# KiCad board edc-mux-board-fpga-main.kicad_pcb
title: EDC Mux Board; date: 2019-05-17; rev: 1
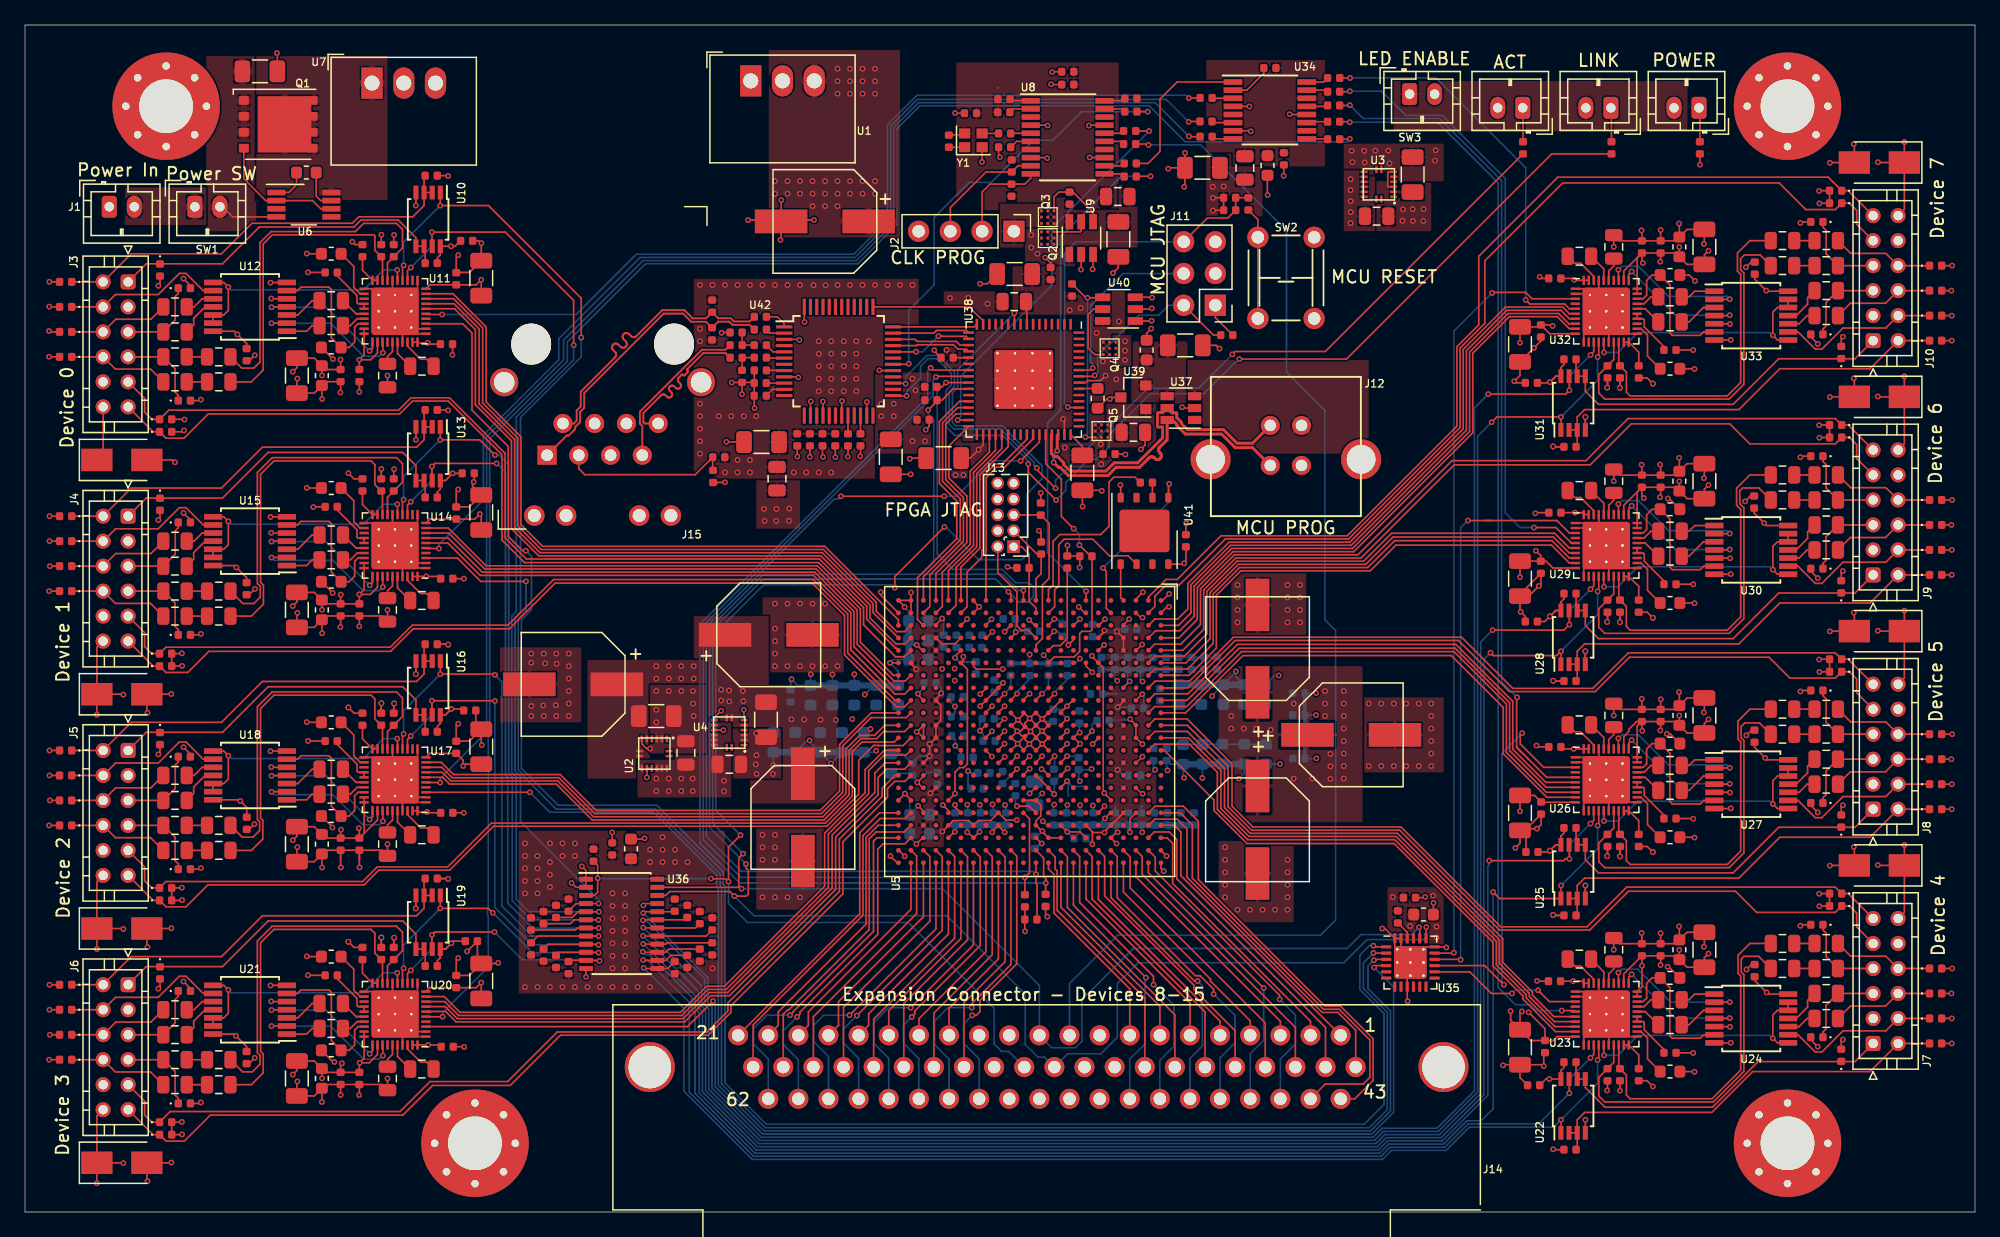
[diagram p0: board, top side]
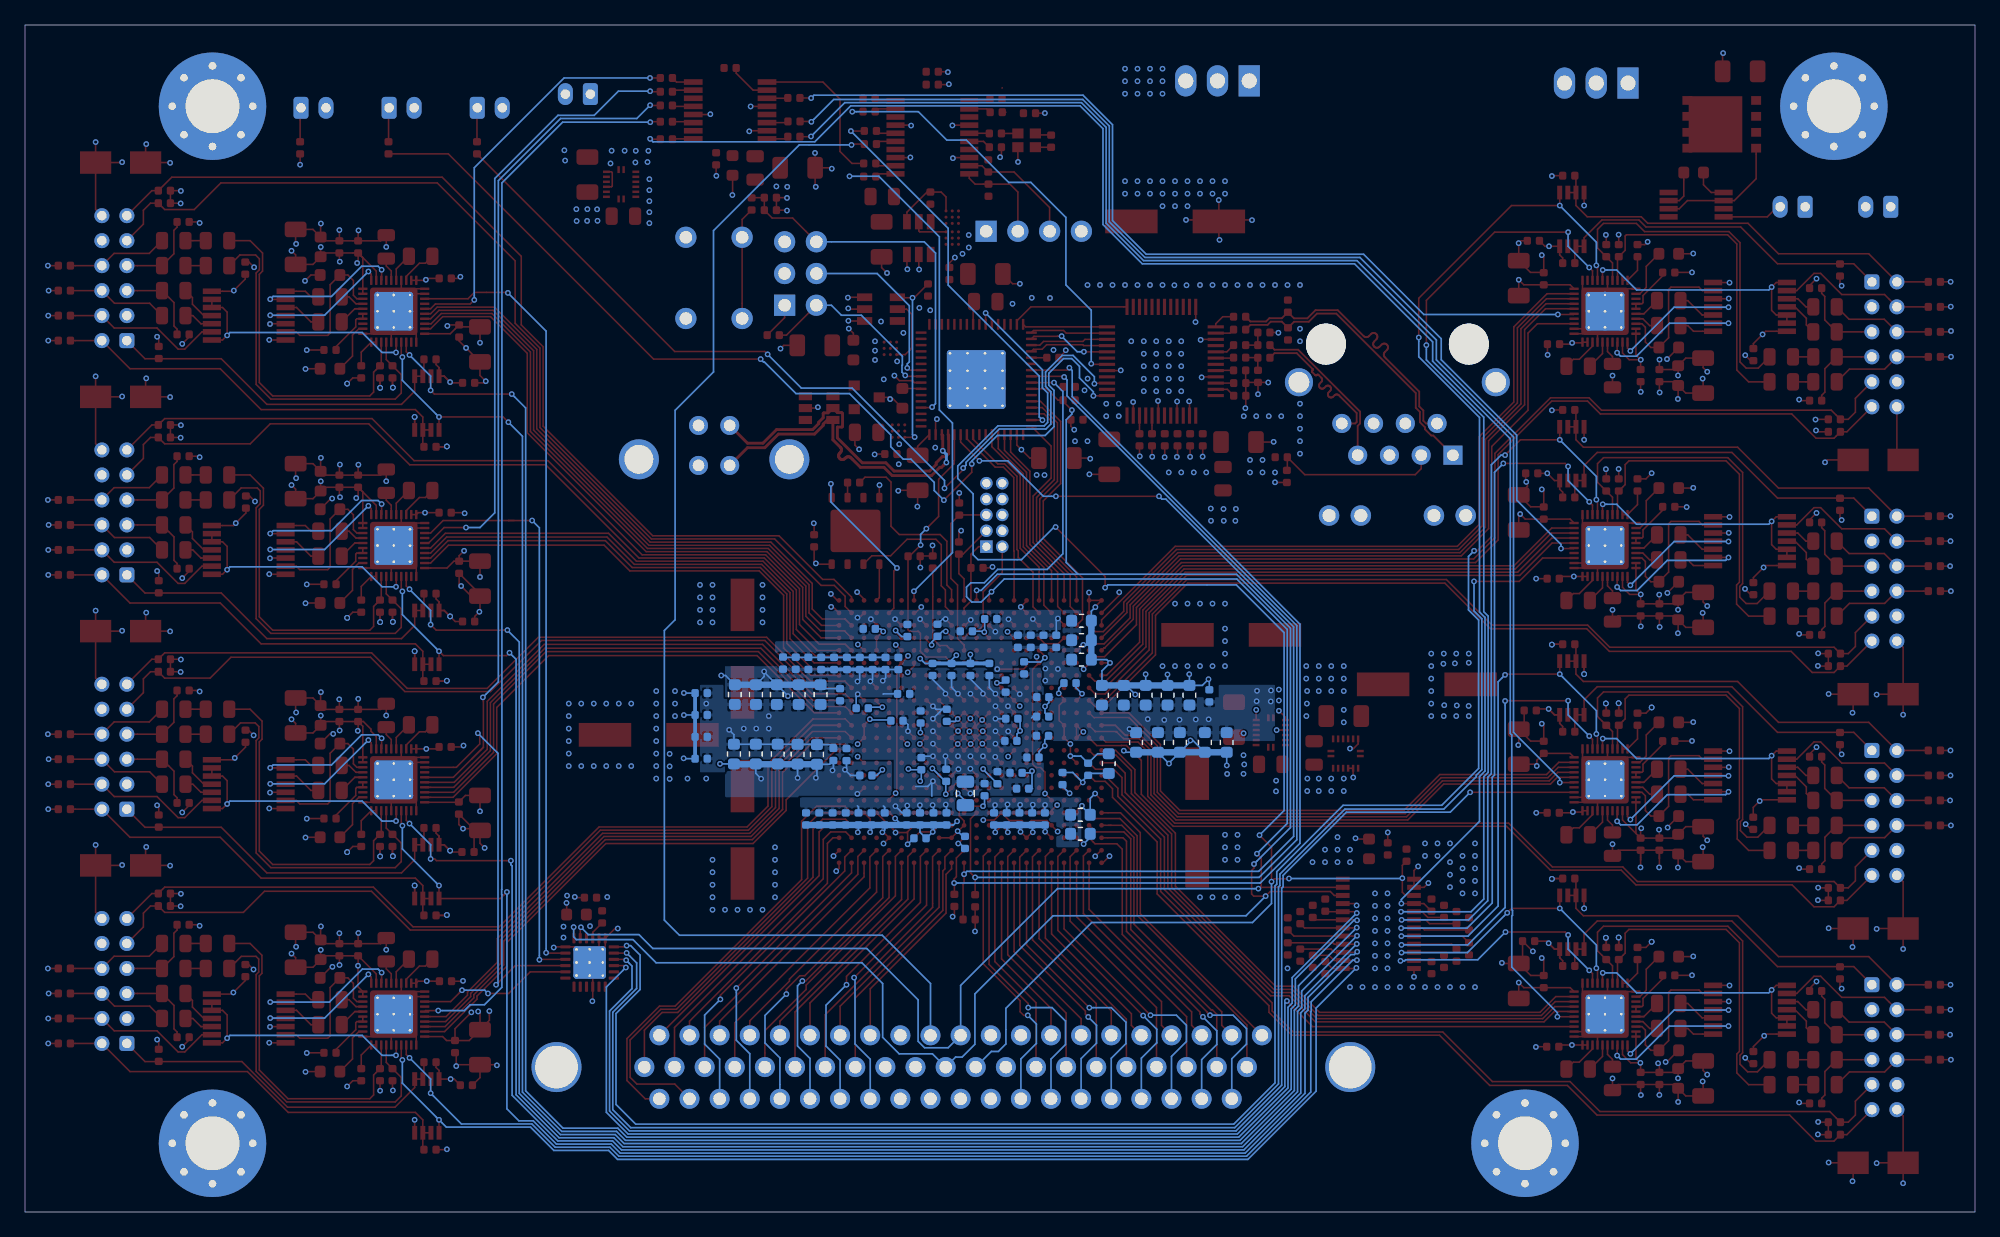
[diagram p1: board, bottom side, seen from below]

Outline 156 x 95 mm; copper layers: Top, In1.Cu (plane), In2.Cu (plane), Bottom. Coordinates in mm from the lower left corner of the outline.
Outline path: 0,95 0,0 156,0 156,95 0,95

## Placement (name value [footprint] x y rotation side)
C1  4.7uF X7R  [C_0805_2012Metric]  52.87 36.74 90 top
C2  4.7uF X7R  [C_0805_2012Metric]  108.13 79.7 0 top
C3  4.7uF X7R  [C_0805_2012Metric]  56.34 35.83 0 top
C4  10uF X7R  [C_1206_3216Metric]  50.5 39.69 0 top
C5  10uF X7R  [C_1206_3216Metric]  111.01 83.03 270 top
C6  10uF X7R  [C_1206_3216Metric]  59.28 39.4 270 top
C7  4.7nF X7R  [C_0402_1005Metric]  82.26 39.75 270 bottom
C8  4.7nF X7R  [C_0402_1005Metric]  82.31 34.95 270 bottom
C9  4.7nF X7R  [C_0402_1005Metric]  77.13 37.7 180 bottom
C10  4.7nF X7R  [C_0402_1005Metric]  83.32 31.46 270 bottom
C11  4.7nF X7R  [C_0402_1005Metric]  89.02 40.32 0 bottom
C12  4.7nF X7R  [C_0402_1005Metric]  77.55 42.09 90 bottom
C13  4.7nF X7R  [C_0402_1005Metric]  75.54 45.67 90 bottom
C14  4.7nF X7R  [C_0402_1005Metric]  88.46 46.67 0 bottom
C15  4.7nF X7R  [C_0402_1005Metric]  84.35 39.62 270 bottom
C16  4.7nF X7R  [C_0402_1005Metric]  74.52 45.67 90 bottom
C17  4.7nF X7R  [C_0402_1005Metric]  72.4 42.33 180 bottom
C18  4.7nF X7R  [C_0402_1005Metric]  78.21 34.76 270 bottom
C19  4.7nF X7R  [C_0402_1005Metric]  84.4 31.46 270 bottom
C20  4.7nF X7R  [C_0402_1005Metric]  78.74 47.46 180 bottom
C21  4.7nF X7R  [C_0402_1005Metric]  79.24 33.8 270 bottom
C22  4.7nF X7R  [C_0402_1005Metric]  75.43 31.46 270 bottom
C23  4.7nF X7R  [C_0402_1005Metric]  84.4 29.91 180 bottom
C24  4.7nF X7R  [C_0402_1005Metric]  84.29 35.88 270 bottom
C25  4.7nF X7R  [C_0402_1005Metric]  88.19 43.9 270 bottom
C26  10nF X7R  [C_0402_1005Metric]  70.95 35.43 270 bottom
C27  4.7nF X7R  [C_0402_1005Metric]  77.06 39.48 180 bottom
C28  4.7nF X7R  [C_0402_1005Metric]  82.28 31.46 270 bottom
C29  10nF X7R  [C_0402_1005Metric]  85.41 46.54 90 bottom
C30  4.7nF X7R  [C_0402_1005Metric]  76.72 35.15 180 bottom
C31  4.7nF X7R  [C_0402_1005Metric]  87.16 43.9 270 bottom
C32  10nF X7R  [C_0402_1005Metric]  88.73 34.94 0 bottom
C33  4.7nF X7R  [C_0402_1005Metric]  77.46 31.46 270 bottom
C34  47nF X7R  [C_0402_1005Metric]  74.57 41.21 180 bottom
C35  10nF X7R  [C_0402_1005Metric]  80.69 46.48 0 bottom
C36  4.7nF X7R  [C_0402_1005Metric]  86.13 43.9 270 bottom
C37  47nF X7R  [C_0402_1005Metric]  83.4 43.42 90 bottom
C38  10nF X7R  [C_0402_1005Metric]  73 34.69 90 bottom
C39  47nF X7R  [C_0402_1005Metric]  81.88 43.42 90 bottom
C40  10nF X7R  [C_0402_1005Metric]  89.32 31.46 270 bottom
C41  100nF X7R  [C_0402_1005Metric]  80.8 29.58 270 bottom
C42  47nF X7R  [C_0402_1005Metric]  78.85 43.42 90 bottom
C43  10nF X7R  [C_0402_1005Metric]  91.28 43.9 270 bottom
C44  100nF X7R  [C_0402_1005Metric]  83 46.56 90 bottom
C45  47nF X7R  [C_0402_1005Metric]  74.59 39.65 180 bottom
C46  10nF X7R  [C_0402_1005Metric]  87.22 31.46 270 bottom
C47  1uF X7R  [C_0603_1608Metric]  69.3 35.89 270 bottom
C48  47nF X7R  [C_0402_1005Metric]  75.37 36.38 180 bottom
C49  10nF X7R  [C_0402_1005Metric]  92.31 43.9 270 bottom
C50  47nF X7R  [C_0402_1005Metric]  90.28 36.61 270 bottom
C51  10nF X7R  [C_0402_1005Metric]  90.34 31.46 270 bottom
C52  47uF  [CP_ELEC_8.3x8.3x11.7mm_SMD]  63.99 79.28 180 top
C53  47nF X7R  [C_0402_1005Metric]  80.37 43.42 90 bottom
C54  10nF X7R  [C_0402_1005Metric]  85.47 31.46 270 bottom
C55  47nF X7R  [C_0402_1005Metric]  86.24 39.32 0 bottom
C56  10nF X7R  [C_0402_1005Metric]  88.28 31.46 270 bottom
C57  47nF X7R  [C_0402_1005Metric]  76.07 43.55 90 bottom
C58  10nF X7R  [C_0402_1005Metric]  90.25 43.9 270 bottom
C59  10nF X7R  [C_0402_1005Metric]  76.44 31.46 270 bottom
C60  100nF X7R  [C_0402_1005Metric]  76.19 33.88 180 bottom
C61  10nF X7R  [C_0402_1005Metric]  89.22 43.9 270 bottom
C62  100nF X7R  [C_0402_1005Metric]  101.91 39.78 0 bottom
C63  100nF X7R  [C_0402_1005Metric]  101.91 36.28 0 bottom
C64  100nF X7R  [C_0402_1005Metric]  74.41 31.46 270 bottom
C65  100nF X7R  [C_0402_1005Metric]  74.6 38.11 180 bottom
C66  100nF X7R  [C_0402_1005Metric]  95.36 43.93 270 bottom
C67  100nF X7R  [C_0402_1005Metric]  101.91 38.03 0 bottom
C68  100nF X7R  [C_0402_1005Metric]  92.46 31.46 270 bottom
C69  100nF X7R  [C_0402_1005Metric]  85.71 41.47 0 bottom
C70  100nF X7R  [C_0402_1005Metric]  93.52 31.46 270 bottom
C71  100nF X7R  [C_0402_1005Metric]  91.33 36.62 270 bottom
C72  100nF X7R  [C_0402_1005Metric]  94.34 43.92 270 bottom
C73  100nF X7R  [C_0402_1005Metric]  101.91 41.53 0 bottom
C74  100nF X7R  [C_0402_1005Metric]  73.5 45.67 90 bottom
C75  100nF X7R  [C_0402_1005Metric]  90.79 41.4 90 bottom
C76  100nF X7R  [C_0402_1005Metric]  93.33 43.91 270 bottom
C77  100nF X7R  [C_0402_1005Metric]  61.25 41.31 90 bottom
C78  100nF X7R  [C_0402_1005Metric]  91.39 31.46 270 bottom
C79  100nF X7R  [C_0402_1005Metric]  78.48 31.46 270 bottom
C80  220nF X7R  [C_0603_1608Metric]  66.34 41.36 90 bottom
C81  100nF X7R  [C_0402_1005Metric]  76.57 45.67 90 bottom
C82  220nF X7R  [C_0603_1608Metric]  62.84 41.36 90 bottom
C83  220nF X7R  [C_0603_1608Metric]  99.28 36.65 270 bottom
C84  1uF X7R  [C_0603_1608Metric]  71.57 30.27 180 bottom
C85  220nF X7R  [C_0603_1608Metric]  69.84 41.36 90 bottom
C86  1uF X7R  [C_0603_1608Metric]  71.48 44.21 180 bottom
C87  220nF X7R  [C_0603_1608Metric]  92.65 36.62 270 bottom
C88  1uF X7R  [C_0603_1608Metric]  71.48 45.77 180 bottom
C89  220nF X7R  [C_0603_1608Metric]  97.53 36.65 270 bottom
C90  1uF X7R  [C_0603_1608Metric]  71.48 47.32 180 bottom
C91  220nF X7R  [C_0603_1608Metric]  94.19 36.64 270 bottom
C92  1uF X7R  [C_0603_1608Metric]  71.57 31.79 180 bottom
C93  220nF X7R  [C_0603_1608Metric]  68.09 41.36 90 bottom
C94  47uF  [CP_ELEC_8.3x8.3x11.7mm_SMD]  43.85 42.23 180 top
C95  220nF X7R  [C_0603_1608Metric]  95.78 36.65 270 bottom
C96  220nF X7R  [C_0603_1608Metric]  64.59 41.36 90 bottom
C97  1uF X7R  [C_0603_1608Metric]  59.87 37.58 270 bottom
C98  1uF X7R  [C_0603_1608Metric]  65.37 37.58 270 bottom
C99  1uF X7R  [C_0603_1608Metric]  61.62 37.58 270 bottom
C100  1uF X7R  [C_0603_1608Metric]  99.22 41.41 90 bottom
C101  1uF X7R  [C_0603_1608Metric]  94.1 41.41 90 bottom
C102  1uF X7R  [C_0603_1608Metric]  95.85 41.41 90 bottom
C103  1uF X7R  [C_0603_1608Metric]  63.62 37.58 270 bottom
C104  1uF X7R  [C_0603_1608Metric]  97.53 41.41 90 bottom
C105  1uF X7R  [C_0603_1608Metric]  67.12 37.58 270 bottom
C106  1uF X7R  [C_0603_1608Metric]  92.35 41.41 90 bottom
C107  10uF X7R  [C_1206_3216Metric]  18.79 91.29 0 top
C108  47uF  [CP_ELEC_8.3x8.3x11.7mm_SMD]  98.6 30.59 270 top
C109  47uF  [CP_ELEC_8.3x8.3x11.7mm_SMD]  62.23 31.58 270 top
C110  47uF  [CP_ELEC_8.3x8.3x11.7mm_SMD]  106.1 38.19 0 top
C111  47uF  [CP_ELEC_8.3x8.3x11.7mm_SMD]  59.5 46.19 0 top
C112  220nF X7R  [C_0603_1608Metric]  22.51 83.19 0 top
C113  47uF  [CP_ELEC_8.3x8.3x11.7mm_SMD]  98.6 45.09 90 top
C114  100nF X7R  [C_0402_1005Metric]  75.64 87.94 0 top
C115  100nF X7R  [C_0402_1005Metric]  83.42 91.26 0 top
C116  10uF X7R  [C_1206_3216Metric]  87.47 77.84 270 top
C117  100nF X7R  [C_0402_1005Metric]  83.42 90.23 0 top
C118  33pF NP0  [C_0402_1005Metric]  29.5 76.94 270 top
C119  100nF X7R  [C_0402_1005Metric]  35.33 77.73 0 top
C120  33pF NP0  [C_0402_1005Metric]  28.5 76.94 270 top
C121  1uF X7R flex  [C_0805_2012Metric]  15.5 66.44 0 top
C122  100nF X7R  [C_0402_1005Metric]  27 76.94 270 top
C123  100nF X7R  [C_0402_1005Metric]  24.5 75.19 0 top
C124  1uF X7R  [C_0603_1608Metric]  24.5 76.69 0 top
C125  2.2uF X7R  [C_0805_2012Metric]  31.75 67.69 0 top
C126  2.2uF X7R  [C_0805_2012Metric]  29 66.94 90 top
C127  1uF X7R flex  [C_0805_2012Metric]  24.5 72.94 0 top
C128  1uF X7R flex  [C_0805_2012Metric]  24.5 70.94 0 top
C129  100nF X7R  [C_0402_1005Metric]  25.25 66.94 90 top
C130  1uF X7R flex  [C_0805_2012Metric]  15.5 68.44 180 top
C131  1uF X7R  [C_0603_1608Metric]  23.75 66.94 90 top
C132  10uF X7R  [C_1206_3216Metric]  21.75 66.94 90 top
C133  100nF X7R  [C_0402_1005Metric]  34.5 74.69 270 top
C134  10uF X7R  [C_1206_3216Metric]  36.5 74.74 90 top
C135  100nF X7R  [C_0402_1005Metric]  26.75 66.94 90 top
C136  100nF X7R  [C_0402_1005Metric]  33.72 69.46 180 top
C137  100nF X7R  [C_0402_1005Metric]  17.73 68.62 90 top
C138  33pF NP0  [C_0402_1005Metric]  29.5 58.19 270 top
C139  100nF X7R  [C_0402_1005Metric]  35.46 59.12 0 top
C140  33pF NP0  [C_0402_1005Metric]  28.5 58.19 270 top
C141  1uF X7R flex  [C_0805_2012Metric]  15.5 47.69 0 top
C142  100nF X7R  [C_0402_1005Metric]  27 58.19 270 top
C143  100nF X7R  [C_0402_1005Metric]  24.5 56.44 0 top
C144  1uF X7R  [C_0603_1608Metric]  24.5 57.94 0 top
C145  2.2uF X7R  [C_0805_2012Metric]  31.75 48.94 0 top
C146  2.2uF X7R  [C_0805_2012Metric]  29 48.19 90 top
C147  1uF X7R flex  [C_0805_2012Metric]  24.5 54.19 0 top
C148  1uF X7R flex  [C_0805_2012Metric]  24.5 52.19 0 top
C149  100nF X7R  [C_0402_1005Metric]  25.25 48.19 90 top
C150  1uF X7R flex  [C_0805_2012Metric]  15.5 49.69 180 top
C151  1uF X7R  [C_0603_1608Metric]  23.75 48.19 90 top
C152  10uF X7R  [C_1206_3216Metric]  21.75 48.19 90 top
C153  100nF X7R  [C_0402_1005Metric]  34.5 55.94 270 top
C154  10uF X7R  [C_1206_3216Metric]  36.5 55.99 90 top
C155  100nF X7R  [C_0402_1005Metric]  26.75 48.19 90 top
C156  100nF X7R  [C_0402_1005Metric]  33.74 50.69 180 top
C157  100nF X7R  [C_0402_1005Metric]  17.73 49.89 90 top
C158  33pF NP0  [C_0402_1005Metric]  29.5 39.44 270 top
C159  100nF X7R  [C_0402_1005Metric]  35.58 40.14 0 top
C160  33pF NP0  [C_0402_1005Metric]  28.5 39.44 270 top
C161  1uF X7R flex  [C_0805_2012Metric]  15.5 28.94 0 top
C162  100nF X7R  [C_0402_1005Metric]  27 39.44 270 top
C163  100nF X7R  [C_0402_1005Metric]  24.5 37.69 0 top
C164  1uF X7R  [C_0603_1608Metric]  24.5 39.19 0 top
C165  2.2uF X7R  [C_0805_2012Metric]  31.75 30.19 0 top
C166  2.2uF X7R  [C_0805_2012Metric]  29 29.44 90 top
C167  1uF X7R flex  [C_0805_2012Metric]  24.5 35.44 0 top
C168  1uF X7R flex  [C_0805_2012Metric]  24.5 33.44 0 top
C169  100nF X7R  [C_0402_1005Metric]  25.25 29.44 90 top
C170  1uF X7R flex  [C_0805_2012Metric]  15.5 30.94 180 top
C171  1uF X7R  [C_0603_1608Metric]  23.75 29.44 90 top
C172  10uF X7R  [C_1206_3216Metric]  21.75 29.44 90 top
C173  100nF X7R  [C_0402_1005Metric]  34.5 37.19 270 top
C174  10uF X7R  [C_1206_3216Metric]  36.5 37.24 90 top
C175  100nF X7R  [C_0402_1005Metric]  26.75 29.44 90 top
C176  100nF X7R  [C_0402_1005Metric]  33.74 31.95 180 top
C177  100nF X7R  [C_0402_1005Metric]  17.74 31.11 90 top
C178  33pF NP0  [C_0402_1005Metric]  29.5 20.69 270 top
C179  100nF X7R  [C_0402_1005Metric]  35.71 21.68 0 top
C180  33pF NP0  [C_0402_1005Metric]  28.5 20.69 270 top
C181  1uF X7R flex  [C_0805_2012Metric]  15.5 10.19 0 top
C182  100nF X7R  [C_0402_1005Metric]  27 20.69 270 top
C183  100nF X7R  [C_0402_1005Metric]  24.5 18.94 0 top
C184  1uF X7R  [C_0603_1608Metric]  24.5 20.44 0 top
C185  2.2uF X7R  [C_0805_2012Metric]  31.75 11.44 0 top
C186  2.2uF X7R  [C_0805_2012Metric]  29 10.69 90 top
C187  1uF X7R flex  [C_0805_2012Metric]  24.5 16.69 0 top
C188  1uF X7R flex  [C_0805_2012Metric]  24.5 14.69 0 top
C189  100nF X7R  [C_0402_1005Metric]  25.25 10.69 90 top
C190  1uF X7R flex  [C_0805_2012Metric]  15.5 12.19 180 top
C191  1uF X7R  [C_0603_1608Metric]  23.75 10.69 90 top
C192  10uF X7R  [C_1206_3216Metric]  21.75 10.69 90 top
C193  100nF X7R  [C_0402_1005Metric]  34.5 18.44 270 top
C194  10uF X7R  [C_1206_3216Metric]  36.5 18.49 90 top
C195  100nF X7R  [C_0402_1005Metric]  26.75 10.69 90 top
C196  100nF X7R  [C_0402_1005Metric]  33.78 13.23 180 top
C197  100nF X7R  [C_0402_1005Metric]  17.73 12.36 90 top
C198  33pF NP0  [C_0402_1005Metric]  126.6 10.99 90 top
C199  100nF X7R  [C_0402_1005Metric]  120.69 10.15 180 top
C200  33pF NP0  [C_0402_1005Metric]  127.6 10.99 90 top
C201  1uF X7R flex  [C_0805_2012Metric]  140.6 21.49 180 top
C202  100nF X7R  [C_0402_1005Metric]  129.1 10.99 90 top
C203  100nF X7R  [C_0402_1005Metric]  131.6 12.74 180 top
C204  1uF X7R  [C_0603_1608Metric]  131.6 11.24 180 top
C205  2.2uF X7R  [C_0805_2012Metric]  124.35 20.24 180 top
C206  2.2uF X7R  [C_0805_2012Metric]  127.1 20.99 270 top
C207  1uF X7R flex  [C_0805_2012Metric]  131.6 14.99 180 top
C208  1uF X7R flex  [C_0805_2012Metric]  131.6 16.99 180 top
C209  100nF X7R  [C_0402_1005Metric]  130.85 20.99 270 top
C210  1uF X7R flex  [C_0805_2012Metric]  140.6 19.49 0 top
C211  1uF X7R  [C_0603_1608Metric]  132.35 20.99 270 top
C212  10uF X7R  [C_1206_3216Metric]  134.35 20.99 270 top
C213  100nF X7R  [C_0402_1005Metric]  121.6 13.24 90 top
C214  10uF X7R  [C_1206_3216Metric]  119.6 13.19 270 top
C215  100nF X7R  [C_0402_1005Metric]  129.35 20.99 270 top
C216  100nF X7R  [C_0402_1005Metric]  122.36 18.47 0 top
C217  100nF X7R  [C_0402_1005Metric]  138.37 19.32 270 top
C218  33pF NP0  [C_0402_1005Metric]  126.6 29.74 90 top
C219  100nF X7R  [C_0402_1005Metric]  120.56 28.81 180 top
C220  33pF NP0  [C_0402_1005Metric]  127.6 29.74 90 top
C221  1uF X7R flex  [C_0805_2012Metric]  140.6 40.24 180 top
C222  100nF X7R  [C_0402_1005Metric]  129.1 29.74 90 top
C223  100nF X7R  [C_0402_1005Metric]  131.6 31.49 180 top
C224  1uF X7R  [C_0603_1608Metric]  131.6 29.99 180 top
C225  2.2uF X7R  [C_0805_2012Metric]  124.35 38.99 180 top
C226  2.2uF X7R  [C_0805_2012Metric]  127.1 39.74 270 top
C227  1uF X7R flex  [C_0805_2012Metric]  131.6 33.74 180 top
C228  1uF X7R flex  [C_0805_2012Metric]  131.6 35.74 180 top
C229  100nF X7R  [C_0402_1005Metric]  130.85 39.74 270 top
C230  1uF X7R flex  [C_0805_2012Metric]  140.6 38.24 0 top
C231  1uF X7R  [C_0603_1608Metric]  132.35 39.74 270 top
C232  10uF X7R  [C_1206_3216Metric]  134.35 39.74 270 top
C233  100nF X7R  [C_0402_1005Metric]  121.29 32.33 90 top
C234  10uF X7R  [C_1206_3216Metric]  119.6 31.94 270 top
C235  100nF X7R  [C_0402_1005Metric]  129.35 39.74 270 top
C236  100nF X7R  [C_0402_1005Metric]  122.39 37.22 0 top
C237  100nF X7R  [C_0402_1005Metric]  138.36 38.08 270 top
C238  33pF NP0  [C_0402_1005Metric]  126.6 48.49 90 top
C239  100nF X7R  [C_0402_1005Metric]  120.51 47.26 180 top
C240  33pF NP0  [C_0402_1005Metric]  127.6 48.49 90 top
C241  1uF X7R flex  [C_0805_2012Metric]  140.6 58.99 180 top
C242  100nF X7R  [C_0402_1005Metric]  129.1 48.49 90 top
C243  100nF X7R  [C_0402_1005Metric]  131.6 50.24 180 top
C244  1uF X7R  [C_0603_1608Metric]  131.6 48.74 180 top
C245  2.2uF X7R  [C_0805_2012Metric]  124.35 57.74 180 top
C246  2.2uF X7R  [C_0805_2012Metric]  127.1 58.49 270 top
C247  1uF X7R flex  [C_0805_2012Metric]  131.6 52.49 180 top
C248  1uF X7R flex  [C_0805_2012Metric]  131.6 54.49 180 top
C249  100nF X7R  [C_0402_1005Metric]  130.85 58.49 270 top
C250  1uF X7R flex  [C_0805_2012Metric]  140.6 56.99 0 top
C251  1uF X7R  [C_0603_1608Metric]  132.35 58.49 270 top
C252  10uF X7R  [C_1206_3216Metric]  134.35 58.49 270 top
C253  100nF X7R  [C_0402_1005Metric]  121.27 51.6 90 top
C254  10uF X7R  [C_1206_3216Metric]  119.6 50.69 270 top
C255  100nF X7R  [C_0402_1005Metric]  129.35 58.49 270 top
C256  100nF X7R  [C_0402_1005Metric]  122.39 55.97 0 top
C257  100nF X7R  [C_0402_1005Metric]  138.33 56.82 270 top
C258  33pF NP0  [C_0402_1005Metric]  126.6 67.24 90 top
C259  100nF X7R  [C_0402_1005Metric]  120.51 66.36 180 top
C260  33pF NP0  [C_0402_1005Metric]  127.6 67.24 90 top
C261  1uF X7R flex  [C_0805_2012Metric]  140.6 77.74 180 top
C262  100nF X7R  [C_0402_1005Metric]  129.1 67.24 90 top
C263  100nF X7R  [C_0402_1005Metric]  131.6 68.99 180 top
C264  1uF X7R  [C_0603_1608Metric]  131.6 67.49 180 top
C265  2.2uF X7R  [C_0805_2012Metric]  124.35 76.49 180 top
C266  2.2uF X7R  [C_0805_2012Metric]  127.1 77.24 270 top
C267  1uF X7R flex  [C_0805_2012Metric]  131.6 71.24 180 top
C268  1uF X7R flex  [C_0805_2012Metric]  131.6 73.24 180 top
C269  100nF X7R  [C_0402_1005Metric]  130.85 77.24 270 top
C270  1uF X7R flex  [C_0805_2012Metric]  140.6 75.74 0 top
C271  1uF X7R  [C_0603_1608Metric]  132.35 77.24 270 top
C272  10uF X7R  [C_1206_3216Metric]  134.35 77.24 270 top
C273  100nF X7R  [C_0402_1005Metric]  121.27 70.51 90 top
C274  10uF X7R  [C_1206_3216Metric]  119.6 69.44 270 top
C275  100nF X7R  [C_0402_1005Metric]  129.35 77.24 270 top
C276  100nF X7R  [C_0402_1005Metric]  122.38 74.72 0 top
C277  100nF X7R  [C_0402_1005Metric]  138.38 75.54 270 top
C278  10uF X7R  [C_1206_3216Metric]  94.19 83.57 180 top
C279  1uF X7R  [C_0603_1608Metric]  99.4 83.76 90 top
C280  100nF X7R  [C_0402_1005Metric]  100.71 84.29 270 top
C281  1uF X7R  [C_0603_1608Metric]  111.88 23.81 0 top
C282  100nF X7R  [C_0402_1005Metric]  110.76 25.16 180 top
C283  1uF X7R  [C_0603_1608Metric]  48.48 29.06 90 top
C284  100nF X7R  [C_0402_1005Metric]  46.98 29.06 270 top
C285  10uF X7R  [C_1206_3216Metric]  79.17 75.07 0 top
C286  100nF X7R  [C_0402_1005Metric]  82.05 75.11 270 top
C287  1uF X7R  [C_0603_1608Metric]  89.73 68.98 270 top
C288  10uF X7R  [C_1206_3216Metric]  92.82 69.36 180 top
C289  10uF X7R  [C_1206_3216Metric]  84.59 59.16 270 top
C290  100nF X7R  [C_0402_1005Metric]  73.77 68.37 180 top
C291  100nF X7R  [C_0402_1005Metric]  86.73 60.66 0 top
C292  1uF X7R  [C_0603_1608Metric]  85.81 65.12 270 top
C293  100pF C0G  [C_0402_1005Metric]  96.37 80.18 180 top
C294  10uF X7R  [C_1206_3216Metric]  73.49 60.34 180 top
C295  2.2uF X7R  [C_0805_2012Metric]  88.67 62.4 180 top
C296  100nF X7R  [C_0402_1005Metric]  92.87 53.72 270 top
C297  100nF X7R  [C_0402_1005Metric]  64.82 61.8 90 top
C298  100nF X7R  [C_0402_1005Metric]  61.78 61.8 90 top
C299  100nF X7R  [C_0402_1005Metric]  58.83 67.36 0 top
C300  100nF X7R  [C_0402_1005Metric]  58.82 65.33 0 top
C301  100nF X7R  [C_0402_1005Metric]  63.8 61.8 90 top
C302  100nF X7R  [C_0402_1005Metric]  62.79 61.8 90 top
C303  10uF X7R  [C_1206_3216Metric]  58.92 61.62 0 top
C304  4.7nF X7R  [C_0402_1005Metric]  65.84 61.8 270 top
C305  10uF X7R  [C_1206_3216Metric]  69.26 60.44 90 top
C306  100nF X7R  [C_0402_1005Metric]  71.84 63.41 180 top
C307  10nF X7R  [C_0402_1005Metric]  66.84 61.8 270 top
C308  6.8nF X7R  [C_0402_1005Metric]  56.89 69.38 0 top
C309  6.8nF X7R  [C_0402_1005Metric]  56.89 68.37 0 top
C310  22nF X7R  [C_0402_1005Metric]  55.05 58.87 270 top
D1  30pF 30kV  [D_0402_1005Metric]  3.25 72.44 180 top
D2  30pF 30kV  [D_0402_1005Metric]  3.25 70.44 180 top
D3  30pF 30kV  [D_0402_1005Metric]  3.25 68.44 180 top
D4  30pF 30kV  [D_0402_1005Metric]  3.25 74.44 180 top
D5  12V_Vrso  [D_SMA]  7.75 60.19 0 top
D6  30pF 30kV  [D_0402_1005Metric]  11.25 62.44 0 top
D7  30pF 30kV  [D_0402_1005Metric]  12.75 64.94 0 top
D8  30pF 30kV  [D_0402_1005Metric]  12.75 73.94 0 top
D9  30pF 30kV  [D_0402_1005Metric]  11.25 63.44 0 top
D10  30pF 30kV  [D_0402_1005Metric]  10.8 75.39 270 top
D11  30pF 30kV  [D_0402_1005Metric]  3.25 53.69 180 top
D12  30pF 30kV  [D_0402_1005Metric]  3.25 51.69 180 top
D13  30pF 30kV  [D_0402_1005Metric]  3.25 49.69 180 top
D14  30pF 30kV  [D_0402_1005Metric]  3.25 55.69 180 top
D15  12V_Vrso  [D_SMA]  7.75 41.44 0 top
D16  30pF 30kV  [D_0402_1005Metric]  11.25 43.69 0 top
D17  30pF 30kV  [D_0402_1005Metric]  12.75 46.19 0 top
D18  30pF 30kV  [D_0402_1005Metric]  12.75 55.19 0 top
D19  30pF 30kV  [D_0402_1005Metric]  11.25 44.69 0 top
D20  30pF 30kV  [D_0402_1005Metric]  10.8 56.64 270 top
D21  30pF 30kV  [D_0402_1005Metric]  3.25 34.94 180 top
D22  30pF 30kV  [D_0402_1005Metric]  3.25 32.94 180 top
D23  30pF 30kV  [D_0402_1005Metric]  3.25 30.94 180 top
D24  30pF 30kV  [D_0402_1005Metric]  3.25 36.94 180 top
D25  12V_Vrso  [D_SMA]  7.75 22.69 0 top
D26  30pF 30kV  [D_0402_1005Metric]  11.25 24.94 0 top
D27  30pF 30kV  [D_0402_1005Metric]  12.75 27.44 0 top
D28  30pF 30kV  [D_0402_1005Metric]  12.75 36.44 0 top
D29  30pF 30kV  [D_0402_1005Metric]  11.25 25.94 0 top
D30  30pF 30kV  [D_0402_1005Metric]  10.8 37.89 270 top
D31  30pF 30kV  [D_0402_1005Metric]  3.25 16.19 180 top
D32  30pF 30kV  [D_0402_1005Metric]  3.25 14.19 180 top
D33  30pF 30kV  [D_0402_1005Metric]  3.25 12.19 180 top
D34  30pF 30kV  [D_0402_1005Metric]  3.25 18.19 180 top
D35  12V_Vrso  [D_SMA]  7.75 3.94 0 top
D36  30pF 30kV  [D_0402_1005Metric]  11.25 6.19 0 top
D37  30pF 30kV  [D_0402_1005Metric]  12.75 8.69 0 top
D38  30pF 30kV  [D_0402_1005Metric]  12.75 17.69 0 top
D39  30pF 30kV  [D_0402_1005Metric]  11.25 7.19 0 top
D40  30pF 30kV  [D_0402_1005Metric]  10.8 19.14 270 top
D41  30pF 30kV  [D_0402_1005Metric]  152.85 15.49 0 top
D42  30pF 30kV  [D_0402_1005Metric]  152.85 17.49 0 top
D43  30pF 30kV  [D_0402_1005Metric]  152.85 19.49 0 top